# Altium PCB CF_PCB.PcbDoc (part 2 of 2) (continued)
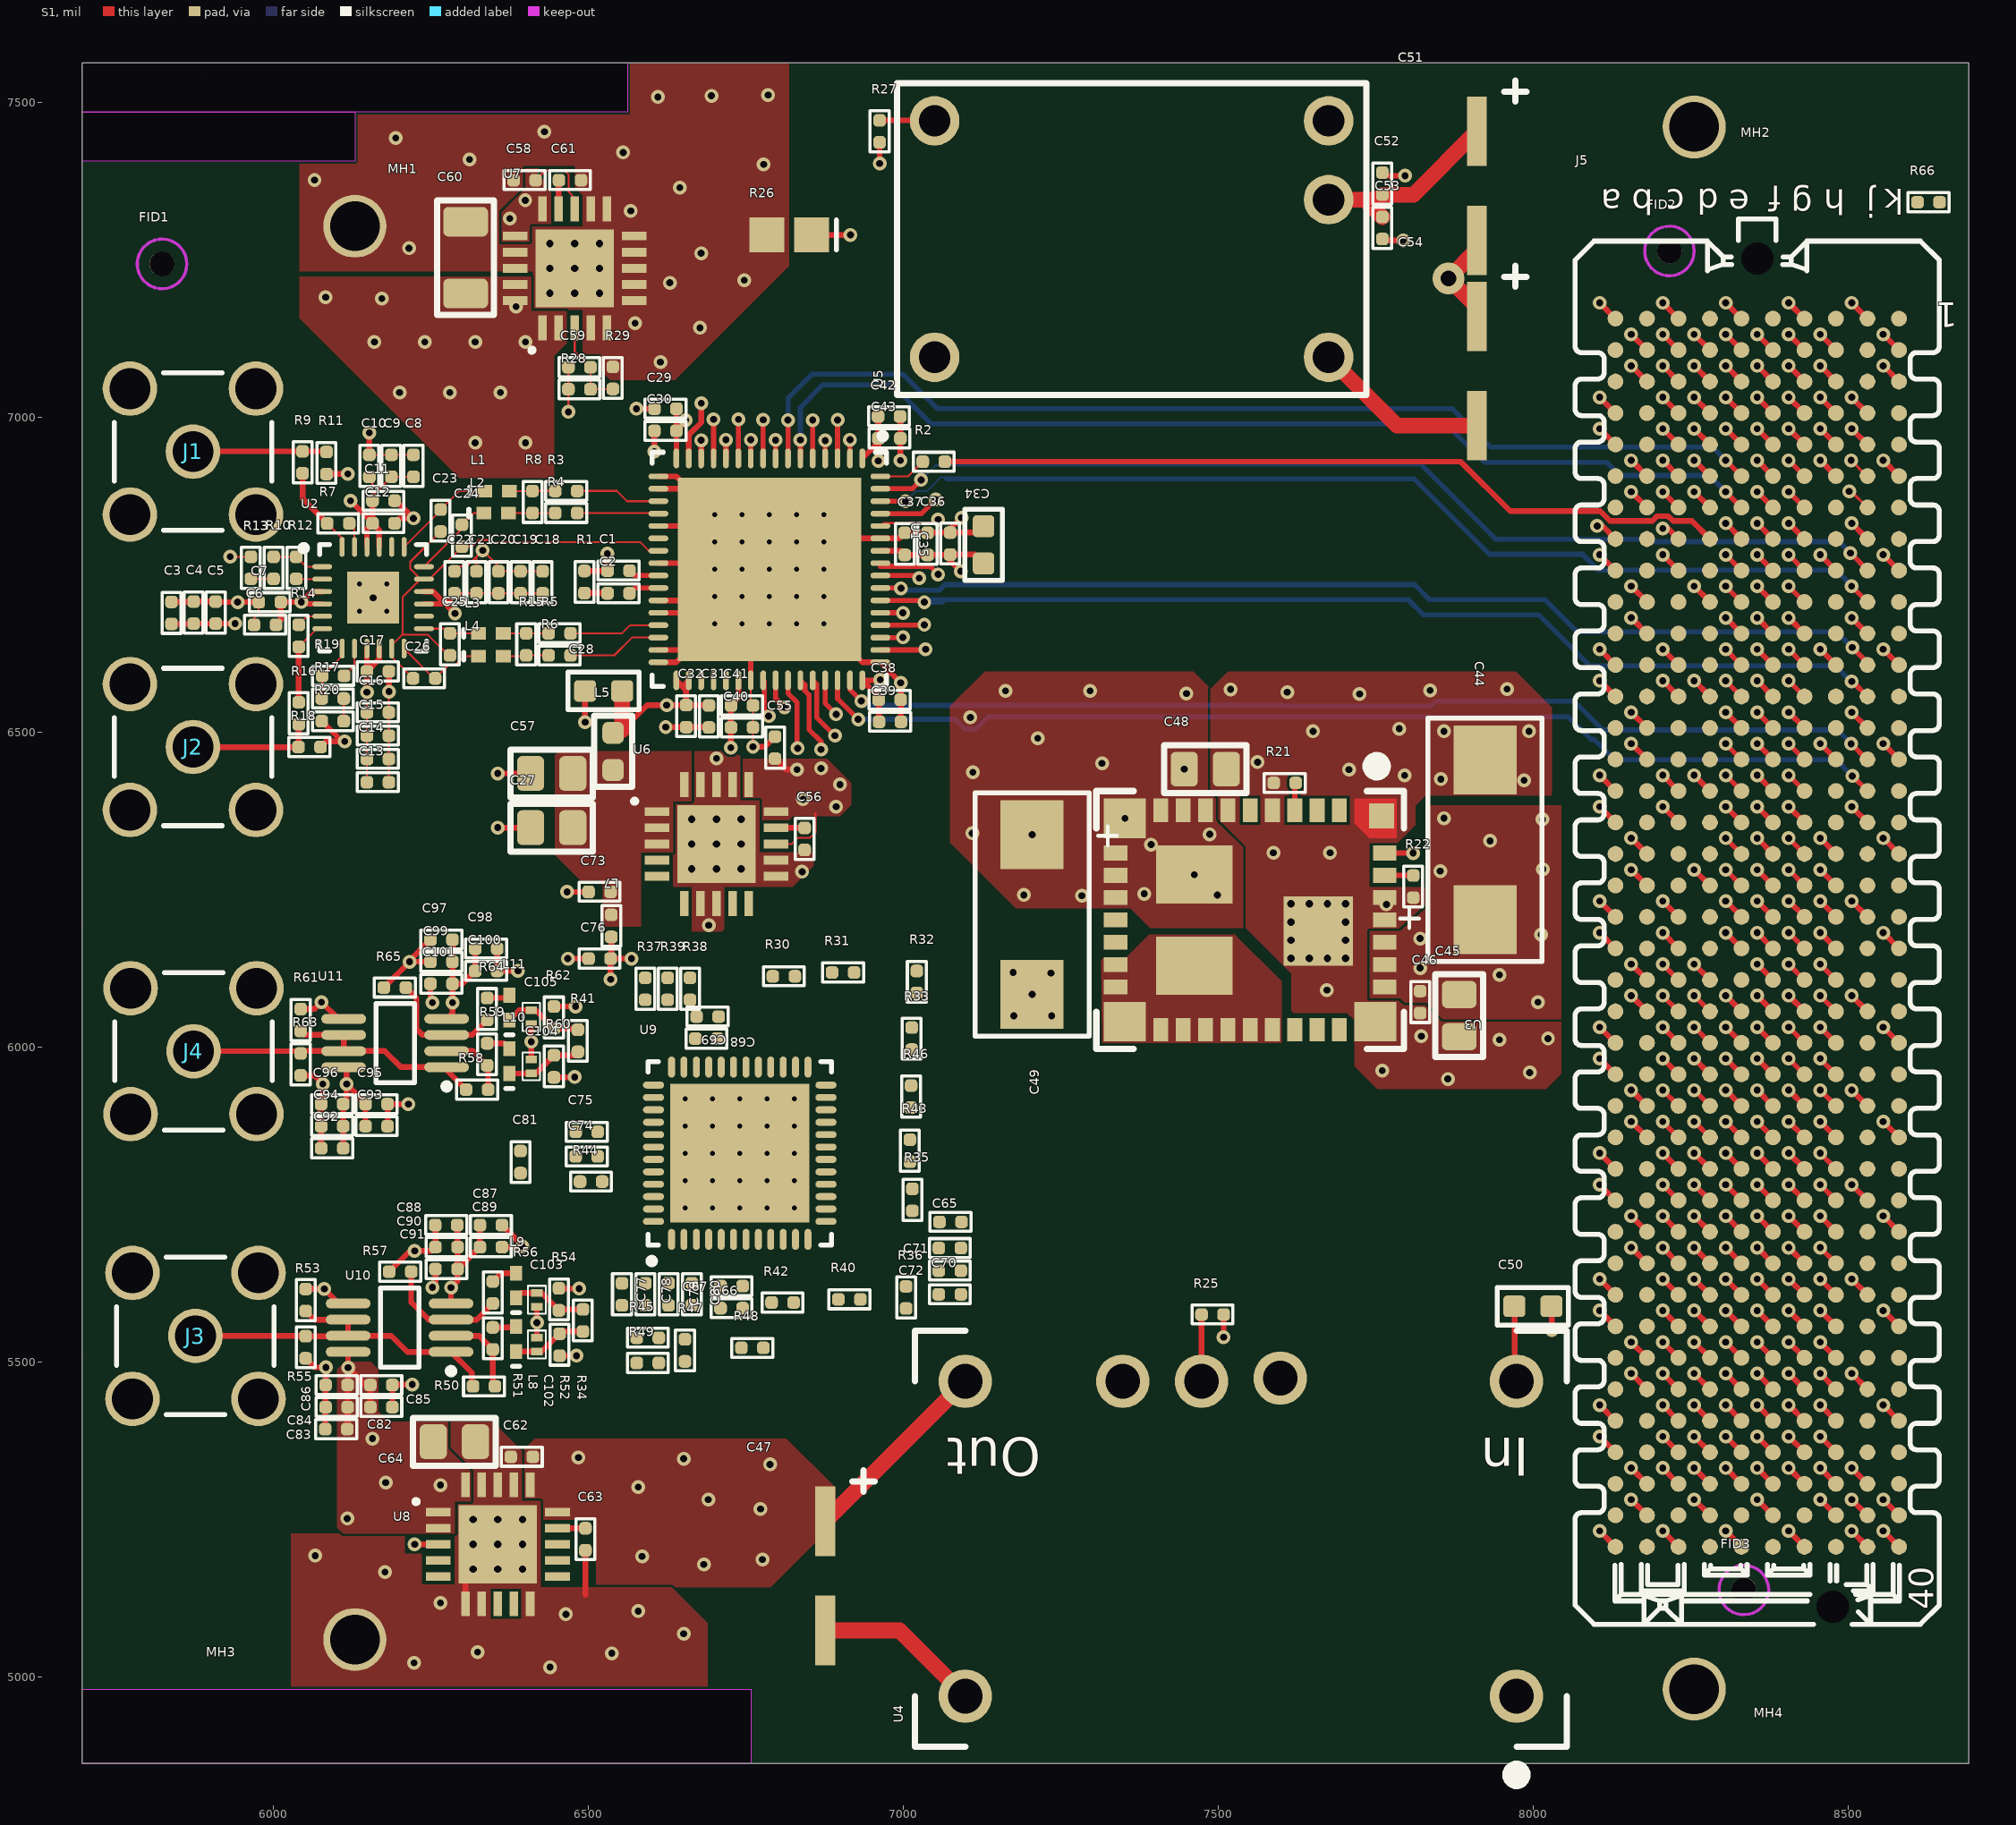
[diagram p0: S1 view]
## Nets (pads, with @x,y where several pads share a name; then routed paths per layer and width w, separated by ;. In a path a pad name is that pad's centre, name@x,y a point inside that pad or via, vN(x,y) a via of type N, cw(c..) or ccw(c..) an arc to the next point about the centre after c; other vN are vias at no path point) (continued)
  other v2: 6653.39,5745.39 6696.69,5745.39 6740,5745.39 6783.31,5745.39 6826.61,5745.39 6653.39,5788.69 6696.69,5788.69 6740,5788.69 6783.31,5788.69 6826.61,5788.69 6653.39,5832 6696.69,5832 6740,5832 6783.31,5832 6826.61,5832 6653.39,5875.31 6696.69,5875.31 6740,5875.31 6783.31,5875.31 6826.61,5875.31 6653.39,5918.61 6696.69,5918.61 6740,5918.61 6783.31,5918.61 6826.61,5918.61 6743.69,6672.39 6787,6672.39 6830.31,6672.39 6700.39,6715.69 6787,6715.69 6873.61,6715.69 6700.39,6759 6743.69,6759 6830.31,6759 6873.61,6759 6700.39,6802.31 6787,6802.31 6873.61,6802.31 6743.69,6845.61 6787,6845.61 6830.31,6845.61 6873.61,6845.61
  other v3: 6356,5171.63 6316.63,5211 6395.37,5211 6316.63,5250.37 6356,5250.37 6395.37,5250.37 7615.14,6141.3 7644.01,6141.3 7672.88,6141.3 7701.76,6141.3 7615.14,6170.17 7701.76,6170.17 7615.14,6199.04 7701.76,6199.04 7615.14,6227.91 7644.01,6227.91 7672.88,6227.91 7701.76,6227.91
N5V0: C8.2 C9.2 C10.2 C11.2 C12.2 C18.2 C19.2 C20.2 C21.2 C22.2 C59.2 C60.2 C87.2 C88.2 C89.2 C90.2 C91.2 C97.2 C98.2 C99.2 C100.2 C101.2 R28.2 U2.15 U2.16 U2.21 U2.22 U7.1 U7.2 U7.19 U7.20 U10.4 U11.4 | length 1435.4
  S1 w3: C10.2@6152,6906 6157,6901 C11.2@6157,6876 ; C11.2@6157,6868 C11.2@6157,6876 ; C8.2@6222,6906 C9.2@6187,6906 C11.2@6157,6876 ; C22.2@6287,6721 C21.2@6322,6721 C20.2@6357,6721 C19.2@6392,6721 C18.2@6427,6721 ; v1(6468,7009) R28.2@6468,7045 C59.2@6468,7080
  S1 w9: v1(6122,6868) C12.2@6157,6833 ; U2.22@6148.16,6794.71 6148.16,6823.37 C12.2@6157,6832.21 ; C11.2@6157,6868 C12.2@6157,6833 ; U2.21@6167.84,6794.71 6167.84,6821.37 C12.2@6157,6832.21 ; U2.15@6238.71,6704.16 6272.84,6704.16 ; U2.16@6238.71,6723.84 6253.16,6723.84 6272.84,6704.16 ; U11.4@6274.69,6045.39 6284,6054.69 v1(6284,6071) C101.2@6284,6101 ; U10.4@6281.69,5593.39 v1(6281.69,5618.69) 6292,5629 C91.2@6292,5648 ; C97.2@6284,6171 C99.2@6284,6136 C101.2@6284,6101 ; C22.2@6287,6721 6287,6718.31 6272.84,6704.16 ; v1(6288,6689) 6272.84,6704.16 ; C88.2@6292,5718 C90.2@6292,5683 C91.2@6292,5648 ; C98.2@6320,6157 C100.2@6320,6121.5 6299.5,6101 C101.2@6284,6101 ; C87.2@6327.5,5718 C89.2@6327.5,5683 6292.5,5648 C91.2@6292,5648 ; C12.2@6157,6832.21 C12.2@6157,6833
  S2 w3: v1(6288,6689) 6468,6869 v1(6468,7009)
  other v1: 6320,6960 6400,6960 6200,7040 6280,7040 6360,7040 6160,7120 6240,7120 6320,7120 6400,7120 6385,7176 6172,7189 6082.6,7191
N6V0: C54.1 C58.2 R26.1 R27.1 U5.1 U7.13 U7.15 U7.16 | length 495.4
  S1 w3: C58.2@6416,7377 6431.5,7392.5 6461.76,7392.5 6468.5,7385.76 6468.5,7358.25 6478,7348.75 U7.13@6478,7331.49
  S1 w9: R26.1@6854,7290 v1(6915.75,7290) ; v1(6962,7403.5) R27.1@6962,7437
  S1 w25: U5.1@7674.7,7095.8 7783.11,6987.39 7877,6987.39 C54.1@7910,6987.39
  other v1: 6375,7316 6399.5,7345
NetC1_2: C1.2 J5.k4 R1.2 | length 2430
  S1 w9: R1.2@6493.5,6756.5 6529.5,6756.5 C1.2@6530,6757 v1(6530,6784)
  S2 w4.5: v1(6530,6784) 6530,7019 6581.75,7070.75 6621.15,7070.75 6621.4,7071 6659,7071 6993.18,7405.18 8278.35,7405.18 8279.17,7406 8501,7406
NetC2_2: C2.2 J5.k5 R1.1 | length 36.7
  S1 w9: R1.1@6493.5,6721.5 6529.5,6721.5 C2.2@6530,6721
NetC56_2: C56.2 U6.14 | length 45.5
  S1 w9: U6.14@6797.49,6348.59 6842.91,6348.59 C56.2@6843,6348.5
NetC59_1: C59.1 R28.1 R29.2 U7.3 | length 143.6
  S1 w3: U7.3@6478,7142.51 6478,7105 C59.1@6503,7080 R28.1@6503,7045 6538,7045 R29.2@6538.5,7045.5
NetC61_2: C61.2 U7.14 | length 45.8
  S1 w9: U7.14@6452.41,7331.49 6452.41,7376.41 C61.2@6453,7377
NetC63_2: C63.2 U8.14 | length 44.5
  S1 w9: U8.14@6450.49,5236.59 C63.2@6495,5236.59
NetC81_2: C81.2 U9.42
NetJ1_1: J1.1 R9.2 R11.2 | length 212.6
  S1 w9: J1.1@5872,6946 5872.5,6946.5 R9.2@6046,6946.5 6083,6946.5 R11.2@6084,6945.5
NetJ2_1: J2.1 R16.2 R18.2 | length 214.6
  S1 w9: J2.1@5864,6476.5 6038.5,6476.5 6040,6475 R16.2@6040,6513
NetJ3_1: J3.1 R50.1 R53.2 R55.2 U10.1 U10.6 U10.7 | length 584.4
  S1 w9: J3.1@5876,5542 6050.5,5542 R55.2@6051,5541.5 6117.6,5541.5 U10.7@6118.31,5542.2 ; R53.2@6051,5581.5 6064.7,5567.8 U10.6@6118.31,5567.8 U10.7@6118.31,5542.2 ; R50.1@6316.5,5462 6314.5,5464 6314.5,5483.81 U10.1@6281.69,5516.61 6212.41,5516.61 6186.82,5542.2 U10.7@6118.31,5542.2
NetJ4_1: J4.1 R58.1 R61.2 R63.2 U11.1 U11.6 U11.7 | length 560.1
  S1 w9: J4.1@5873,5994 6039.5,5994 R63.2@6043,5990.5 6046.7,5994.2 U11.7@6111.31,5994.2 ; R61.2@6043,6026 6049.2,6019.8 U11.6@6111.31,6019.8 U11.7@6111.31,5994.2 ; R58.1@6305.5,5933 6274.69,5963.81 U11.1@6274.69,5968.61 6202,5968.61 6176.41,5994.2 U11.7@6111.31,5994.2
NetJ5_B1: J5.b1 R66.1
NetJ5_D30: J5.d30 J5.d31 | length 70.7
  S1 w9: v1(8255.05,5682.21) J5.d31@8280.05,5657.21 ; v1(8255.05,5732.21) J5.d30@8280.05,5707.21
NetJ5_E21: J5.e21 R37.1 U9.36 | length 35.4
  S1 w9: v1(8305.05,6182.21) J5.e21@8330.05,6157.21
NetJ5_E22: J5.d8 R2.1 | length 1271.5
  S1 w9: R2.1@7065.5,6930 7884.5,6930 7962.79,6851.71 8105.72,6851.71 8121.32,6836.11 8188.79,6836.11 8196.18,6843.5 8213.93,6843.5 8221.32,6836.11 8251.15,6836.11 J5.d8@8280.05,6807.21
NetJ5_E24: J5.e24 R39.1 U9.34 | length 35.4
  S1 w9: v1(8305.05,6032.21) J5.e24@8330.05,6007.21
NetJ5_E25: J5.e25 R38.1 U9.33 | length 35.4
  S1 w9: v1(8305.05,5982.21) J5.e25@8330.05,5957.21
NetJ5_F22: J5.e3 U1.14 | length 1857.2
  S1 w9: U1.14@6678.73,6935.18 v1(6678.73,6964.11) ; v1(8305.05,7082.21) J5.e3@8330.05,7057.21
  S3 w4.5: v1(6678.73,6964.11) 6678.73,6996.27 6660,7015 6660,7036 6765.42,7141.42 7693.59,7141.42 7727.02,7108 8279.27,7108 v1(8305.05,7082.21)
NetJ5_F23: J5.e2 U1.15 | length 1824.4
  S1 w9: U1.15@6659.05,6935.18 6659.23,6935.37 6659.23,6972.76 6678.92,6992.44 v1(6678.92,7022.92) ; v1(8305.05,7132.21) J5.e2@8330.05,7107.21
  S2 w4.5: v1(6678.92,7022.92) 6814.42,7158.42 8278.84,7158.42 v1(8305.05,7132.21)
NetJ5_F25: J5.f25 U9.31 | length 35.4
  S1 w9: v1(8355.05,5982.21) J5.f25@8380.05,5957.21
NetJ5_F26: J5.f26 U9.32 | length 35.4
  S1 w9: v1(8355.05,5932.21) J5.f26@8380.05,5907.21
NetJ5_J24: J5.f4 U1.13 | length 1868.4
  S1 w9: U1.13@6698.42,6935.18 v1(6698.42,6997.27) ; v1(8355.05,7032.21) J5.f4@8380.05,7007.21
  S2 w4.5: v1(6698.42,6997.27) 6851.07,7149.92 7697.11,7149.92 7728.82,7118.22 7728.82,7114.18 7788,7055 8332.27,7055 v1(8355.05,7032.21)
NetJ5_J25: J5.f5 U1.12 | length 1866.9
  S1 w9: U1.12@6718.1,6935.18 v1(6718.1,6964.85) ; v1(8355.05,6982.21) J5.f5@8380.05,6957.21
  S2 w4.5: v1(6718.1,6964.85) 6720.54,6967.29 6720.54,7007.37 6854.59,7141.42 7693.59,7141.42 7720.32,7114.7 7720.32,7110.66 7784.48,7046.5 8054.5,7046.5 8092,7009 8328.27,7009 v1(8355.05,6982.21)
NetJ5_J28: J5.j28 U9.30
NetL8_2: L8.2 R51.2 | length 37.5
  S1 w9: R51.2@6348,5555.5 6383.81,5555.5 L8.2@6385,5556.69
NetL9_2: L9.2 R56.2 | length 42.5
  S1 w9: R56.2@6348,5628.5 6361.19,5641.69 L9.2@6385,5641.69
NetL10_2: L10.2 R59.2 | length 38.8
  S1 w9: R59.2@6339,6006.5 6365.75,6006.5 L10.2@6374.25,5998
NetL11_2: L11.2 R64.2 | length 37.1
  S1 w9: R64.2@6339,6078.5 6369.88,6078.5 L11.2@6374.25,6082.87
NetR2_2: R2.2 U1.64 | length 77
  S1 w3: U1.64@6963.18,6906.64 7007.14,6906.64 R2.2@7030.5,6930
NetR3_1: R3.1 U1.19 | length 135.5
  S1 w3: R3.1@6482,6883.5 6544.77,6883.5 6561,6867.27 U1.19@6610.82,6867.27
NetR4_1: R4.1 U1.20 | length 129.2
  S1 w3: R4.1@6482,6848.5 6609.9,6848.5 U1.20@6610.82,6847.58
NetR5_1: R5.1 U1.29 | length 144.7
  S1 w3: R5.1@6471.5,6657.5 6553.08,6657.5 6566,6670.42 U1.29@6610.82,6670.42
NetR6_1: R6.1 U1.30 | length 151
  S1 w3: R6.1@6471.5,6622.5 6540.77,6622.5 6569,6650.73 U1.30@6610.82,6650.73
NetR7_1: R7.1 U2.23 | length 40.8
  S1 w3: R7.1@6120.11,6832 6128.47,6823.64 U2.23@6128.47,6794.71
NetR7_2: R7.2 R9.1 U2.24 | length 142.4
  S1 w3: R7.2@6085.11,6832 6108.5,6808.61 U2.24@6108.5,6795
  S1 w9: R9.1@6046,6911.5 6046,6871.11 R7.2@6085.11,6832
NetR10_1: R10.1 R12.2 U2.1 | length 83.8
  S1 w3: R10.1@6000,6779 R12.2@6036,6779 6051.79,6763.21 U2.1@6077.29,6763.21
NetR10_2: R10.2 R13.2 | length 36
  S1 w3: R13.2@5964,6744 R10.2@6000,6744
NetR12_1: R12.1 U2.2 | length 41.5
  S1 w3: R12.1@6036,6744 6036.47,6743.53 U2.2@6077.29,6743.53
NetR14_1: R14.1 U2.5 | length 42.9
  S1 w3: R14.1@6040,6671 6053.47,6684.47 U2.5@6077.29,6684.47
NetR14_2: R14.2 R16.1 U2.6 | length 137.2
  S1 w3: R14.2@6040,6636 6068.79,6664.79 U2.6@6077.29,6664.79
  S1 w9: R16.1@6040,6548 R14.2@6040,6636
NetR17_1: R17.1 R19.2 U2.7 | length 92.7
  S1 w3: R17.1@6076.47,6554 6077.07,6554.6 R19.2@6077.07,6590 6108.79,6621.72 U2.7@6108.79,6633.29
NetR17_2: R17.2 R20.2 | length 36
  S1 w3: R20.2@6111.47,6518 R17.2@6111.47,6554
NetR19_1: R19.1 U2.8 | length 50.9
  S1 w3: R19.1@6111.47,6590.6 R19.1@6112.07,6590 6128.47,6606.4 U2.8@6128.47,6633.29
NetR21_2: R21.2 U3.4 | length 44
  S1 w9: U3.4@7621.05,6376.53 7621.05,6418.45 R21.2@7622.5,6419.9
NetR22_2: R22.2 U3.35 | length 45.4
  S1 w9: U3.35@7763.76,6273.19 7808.72,6273.19 R22.2@7809,6272.9
NetR25_2: R25.2 U4.4 | length 106
  S1 w9: U4.4@7473,5470 R25.2@7473,5576
NetR27_2: R27.2 U5.4 | length 87.6
  S1 w9: R27.2@6962,7472 7048.5,7472 U5.4@7049.3,7471.2
NetR44_2: R44.2 U9.43
NetR45_1: R45.1 R47.2 U9.3
NetR47_1: R47.1 R49.2 U9.4
NetR50_2: R50.2 R51.1 U10.2 | length 135.2
  S1 w9: U10.2@6281.69,5542.2 6326.3,5542.2 R51.1@6348,5520.5 6348,5465.5 R50.2@6351.5,5462
NetR56_1: R56.1 R57.2 U10.3 | length 200.1
  S1 w9: R57.2@6218.5,5644 6218.5,5595.5 6246.2,5567.8 U10.3@6281.69,5567.8 6322.3,5567.8 R56.1@6348,5593.5
NetR58_2: R58.2 R59.1 U11.2 | length 112.8
  S1 w9: U11.2@6274.69,5994.2 6316.3,5994.2 R59.1@6339,5971.5 6340.5,5970 R58.2@6340.5,5933
NetR64_1: R64.1 R65.2 U11.3 | length 198.7
  S1 w9: R65.2@6210,6095 6227,6078 6227,6029 6236.2,6019.8 U11.3@6274.69,6019.8 6315.3,6019.8 R64.1@6339,6043.5
OPAMP_OUT1+: C23.2 L1.1 U2.19 | length 165.1
  S1 w3: U2.19@6207.21,6794.71 6265,6852.5 C23.2@6265,6854 6294,6883 L1.1@6334.88,6883
OPAMP_OUT1-: C24.1 L2.1 U2.18 | length 134.1
  S1 w3: U2.18@6238.71,6763.21 6299,6823.5 C24.1@6299,6830 6317.5,6848.5 L2.1@6333.63,6848.5
OPAMP_OUT2+: C25.2 L3.1 U2.13 | length 89.6
  S1 w3: U2.13@6238.71,6664.79 6272.71,6664.79 C25.2@6280,6657.5 L3.1@6325.31,6657.5
OPAMP_OUT2-: C26.1 L4.1 U2.12 | length 152.2
  S1 w3: U2.12@6207.21,6633.29 6254.5,6586 C26.1@6256.5,6586 6277.5,6607 6288.76,6607 6302.76,6621 L4.1@6325.31,6621
P5V0: C3.2 C4.2 C5.2 C6.2 C7.2 C13.2 C14.2 C15.2 C16.2 C17.2 C64.2 C82.2 C83.2 C84.2 C85.2 C86.2 C92.2 C93.2 C94.2 C95.2 C96.2 U2.3 U2.4 U2.9 U2.10 U8.1 U8.2 U8.3 U8.20 U10.8 U11.8 | length 1279.9
  S1 w3: C13.2@6148.16,6421 C14.2@6148.16,6458 C15.2@6148.16,6495 C16.2@6148.16,6532 v1(6148.16,6564.16)
  S1 w9: C3.2@5838,6672.39 5872.39,6672.39 C4.2@5873,6673 C5.2@5908,6673 v1(5939,6673) ; C6.2@6004,6671 6011.5,6678.5 C7.2@6011.5,6707 ; C7.2@6015,6707.21 v1(6044,6707.21) ; U2.4@6077.29,6704.16 6047.05,6704.16 v1(6044,6707.21) ; U2.3@6077.29,6723.84 6060.63,6723.84 v1(6044,6707.21) ; C92.2@6110.5,5840 C94.2@6110.5,5875 C96.2@6110.5,5910 6116,5915.5 v1(6116,5942) ; U11.8@6111.31,5968.61 6116,5963.92 v1(6116,5942) ; C83.2@6117,5394 6117,5428.6 6117.5,5429.1 C86.2@6117.5,5464 6118.31,5464.81 v1(6118.31,5491.69) ; U10.8@6118.31,5516.61 v1(6118.31,5491.69) ; C93.2@6146,5875 C95.2@6146,5910 6146,5912 v1(6116,5942) ; v1(6148.16,6564.16) C17.2@6148.16,6597 ; U2.9@6148.16,6633.29 C17.2@6148.16,6597 ; C82.2@6153.5,5429 C85.2@6153.5,5464 6146,5464 v1(6118.31,5491.69) ; U2.10@6167.84,6633.29 6167.84,6616.69 C17.2@6148.16,6597 ; v1(6224,5211) U8.3@6261.51,5211
  S2 w4.5: v1(6118.31,5491.69) 6118.31,5316.69 v1(6224,5211)
  other v1: 6117,5252 6265,5305 6178,5309 6157,5379
P5V5: C44.1 C45.2 C46.2 C47.2 C55.2 C62.2 U3.30 U3.31 U3.32 U4.5 U4.6 U6.13 U6.15 U6.16 U8.13 U8.15 U8.16 | length 457.6
  S1 w3: U6.13@6797.49,6323 6822.57,6323 6832.57,6333 6851.76,6333 6860,6341.24 6860,6372
  S1 w9: C55.2@6796,6458.5 6813.5,6441 v1(6831,6441)
  S1 w25: C47.2@6875.58,5247.61 U4.6@7098,5470
  other v1: 6683,5179 6776,5187 6585,5192 6773,5267 6690,5282.21 6579,5302 6788,5338 6651,5347 6484,5349 8007,6072 7946,6115 7820,6126 7820,6173 8012,6179 7852,6280 8015,6283 7931,6328 8014,6362 7858,6364 6893,6382 6840.39,6394 6899,6417.49 6869,6443
PH: U3.17 U3.18 U3.19 U3.20 U3.21 U3.22 U3.23 U3.24 U3.25 U3.39
REFCLK_N: J5.j3 R48.1 U9.7
REFCLK_P: J5.j2 R48.2 U9.6
pads on no net: FID1.0 FID2.0 FID3.0 J5.1 J5.2 J5.a2 J5.a3 J5.a6 J5.a7 J5.a10 J5.a11 J5.a14 J5.a15 J5.a18 J5.a19 J5.a22 J5.a23 J5.a26 J5.a27 J5.a30 J5.a31 J5.a34 J5.a35 J5.a38 J5.a39 J5.b4 J5.b5 J5.b8 J5.b9 J5.b12 J5.b13 J5.b16 J5.b17 J5.b20 J5.b21 J5.b24 J5.b25 J5.b28 J5.b29 J5.b32 J5.b33 J5.b36 J5.b37 J5.b40 J5.c2 J5.c3 J5.c6 J5.c7 J5.c10 J5.c11 J5.c14 J5.c15 J5.c18 J5.c19 J5.c30 J5.c31 J5.c34 J5.d1 J5.d4 J5.d5 J5.d9 J5.d11 J5.d12 J5.d14 J5.d15 J5.d17 J5.d18 J5.d20 J5.d21 J5.d29 J5.d32 J5.d33 J5.d34 J5.d35 J5.e22 J5.e27 J5.e28 J5.e30 J5.e31 J5.e33 J5.e34 J5.e36 J5.e37 J5.e39 J5.f1 J5.f7 J5.f8 J5.f10 J5.f11 J5.f13 J5.f14 J5.f16 J5.f17 J5.f19 J5.f20 J5.f22 J5.f23 J5.f28 J5.f29 J5.f31 J5.f32 J5.f34 J5.f35 J5.f37 J5.f38 J5.f40 J5.g2 J5.g3 J5.g27 J5.g28 J5.g30 J5.g31 J5.g33 J5.g34 J5.g36 J5.g37 J5.g39 J5.h1 J5.h4 J5.h5 J5.h7 J5.h8 J5.h10 J5.h11 J5.h13 J5.h14 J5.h16 J5.h17 J5.h19 J5.h20 J5.h34 J5.h35 J5.h37 J5.h38 J5.h40 J5.j21 J5.j22 J5.j24 J5.j25 J5.j27 J5.j30 J5.j31 J5.j33 J5.j34 J5.j36 J5.j37 J5.k1 J5.k7 J5.k8 J5.k10 J5.k11 J5.k13 J5.k14 J5.k16 J5.k17 J5.k19 J5.k20 J5.k22 J5.k23 J5.k25 J5.k26 J5.k28 J5.k29 J5.k31 J5.k32 J5.k34 J5.k35 J5.k37 J5.k38 U1.22 U1.35 U1.36 U1.37 U2.14 U2.20 U3.2 U3.3 U3.6 U3.15 U3.16 U3.26 U3.27 U3.28 U4.3 U5.3 U6.4 U6.5 U6.6@6651.82,6228.51 U6.9 U6.10 U8.4 U8.5 U8.8 U8.9 U8.11 U8.12
copper on no net: | length 2121.3
  S1 w9: v1(8205.05,5532.21) 8230.05,5507.21 ; v1(8205.05,5682.21) 8230.05,5657.21 ; v1(8205.05,5732.21) 8230.05,5707.21 ; v1(8205.05,6882.21) 8230.05,6857.21 ; v1(8205.05,6932.21) 8230.05,6907.21 ; v1(8205.05,7082.21) 8230.05,7057.21 ; v1(8205.05,7132.21) 8230.05,7107.21 ; v1(8255.05,5482.21) 8280.05,5457.21 ; v1(8255.05,5532.21) 8280.05,5507.21 ; v1(8255.05,5582.21) 8280.05,5557.21 ; v1(8255.05,5632.21) 8280.05,5607.21 ; v1(8255.05,5782.21) 8280.05,5757.21 ; v1(8255.05,6982.21) 8280.05,6957.21 ; v1(8255.05,7032.21) 8280.05,7007.21 ; v1(8305.05,5382.21) 8330.05,5357.21 ; v1(8305.05,5432.21) 8330.05,5407.21 ; v1(8305.05,5532.21) 8330.05,5507.21 ; v1(8305.05,5582.21) 8330.05,5557.21 ; v1(8305.05,5682.21) 8330.05,5657.21 ; v1(8305.05,5732.21) 8330.05,5707.21 ; v1(8305.05,5832.21) 8330.05,5807.21 ; v1(8305.05,5882.21) 8330.05,5857.21 ; v1(8355.05,5332.21) 8380.05,5307.21 ; v1(8355.05,5382.21) 8380.05,5357.21 ; v1(8355.05,5482.21) 8380.05,5457.21 ; v1(8355.05,5532.21) 8380.05,5507.21 ; v1(8355.05,5632.21) 8380.05,5607.21 ; v1(8355.05,5682.21) 8380.05,5657.21 ; v1(8355.05,5782.21) 8380.05,5757.21 ; v1(8355.05,5832.21) 8380.05,5807.21 ; v1(8355.05,6082.21) 8380.05,6057.21 ; v1(8355.05,6132.21) 8380.05,6107.21 ; v1(8355.05,6232.21) 8380.05,6207.21 ; v1(8355.05,6282.21) 8380.05,6257.21 ; v1(8355.05,6382.21) 8380.05,6357.21 ; v1(8355.05,6432.21) 8380.05,6407.21 ; v1(8355.05,6532.21) 8380.05,6507.21 ; v1(8355.05,6582.21) 8380.05,6557.21 ; v1(8355.05,6682.21) 8380.05,6657.21 ; v1(8355.05,6732.21) 8380.05,6707.21 ; v1(8355.05,6832.21) 8380.05,6807.21 ; v1(8355.05,6882.21) 8380.05,6857.21 ; v1(8405.05,5382.21) 8430.05,5357.21 ; v1(8405.05,5432.21) 8430.05,5407.21 ; v1(8405.05,5532.21) 8430.05,5507.21 ; v1(8405.05,5582.21) 8430.05,5557.21 ; v1(8405.05,5682.21) 8430.05,5657.21 ; v1(8405.05,5732.21) 8430.05,5707.21 ; v1(8405.05,5832.21) 8430.05,5807.21 ; v1(8405.05,5882.21) 8430.05,5857.21 ; v1(8405.05,7082.21) 8430.05,7057.21 ; v1(8405.05,7132.21) 8430.05,7107.21 ; v1(8455.05,5332.21) 8480.05,5307.21 ; v1(8455.05,5382.21) 8480.05,5357.21 ; v1(8455.05,5482.21) 8480.05,5457.21 ; v1(8455.05,5532.21) 8480.05,5507.21 ; v1(8455.05,6232.21) 8480.05,6207.21 ; v1(8455.05,6282.21) 8480.05,6257.21 ; v1(8455.05,6982.21) 8480.05,6957.21 ; v1(8455.05,7032.21) 8480.05,7007.21
  other v2: 6136.35,6692.35 6179.65,6692.35 6136.35,6735.65 6179.65,6735.65
  other v3: 6663.63,6283.63 6703,6283.63 6742.37,6283.63 6663.63,6323 6703,6323 6742.37,6323 6663.63,6362.37 6703,6362.37 6742.37,6362.37 6438.63,7197.63 6478,7197.63 6517.37,7197.63 6438.63,7237 6478,7237 6517.37,7237 6438.63,7276.37 6478,7276.37 6517.37,7276.37

## Polygon pours and split planes (outlines as drawn)
1V8 on S1 "S1-1V8" (solid, pour order 58): 7360,6221 7391,6190 7543,6190 7543,6319 7500,6362 7500,6397 7487,6410 7487,6570 7460,6597 7129,6597 7074,6542 7074,6325.28 7178.28,6221
GND on S1 "S1-GND 2" (solid, pour order 52): 7619,6055 7704,6055 7715.54,6043.46 7715.54,5970.46 7752,5934 8020,5934 8044,5958 8044,6045 7856,6045 7830,6071 7795.5,6071 7788,6078.5 7740,6078.5 7740,6184.81 7740.19,6185 7793,6185 7831.73,6223.73 7831.73,6256 7829.73,6254 7739,6254 7739.55,6254.55 7739.55,6324 7783.76,6324 7812.75,6352.99 7812.75,6383.75 7829,6400 8029,6400 8029,6540 7972,6597 7515,6597 7487,6569 7487,6410 7500,6397 7500,6362 7543,6319 7543,6190 7616,6117 7616,6056.11 7619.11,6053
PH on S1 "S1-PH" (solid, pour order 48): 7314,6142 7353,6142 7390,6179 7527,6179 7527,6178 7600,6105 7600,6007.21 7315.21,6007.21 7315,6007
P5V5 on S1 "S1-P5V5" (solid, pour order 46): 7788,6185 7739.55,6185 7740,6184.55 7740,6078.5 7788,6078.5 7795.5,6071 7830,6071 7856,6045 8044,6045 8044,6384 7832,6384 7832,6224
P5V5 on S1 "S1-P5V5 1" (solid, pour order 40): 6741,6392 6741,6462.45 6745.45,6458 6878.75,6458 6917,6419.75 6917,6385 6899,6367 6823.79,6367 6823.79,6366.79 6818,6361 6771,6361 6771,6392
GND on S1 "S1-GND 3" (solid, pour order 36): 6663.63,6470 6663.63,6391.37 6634.37,6391.37 6634,6391 6634,6255 6664,6255 6664,6184.09 6715,6183.9 6715,6255 6823.79,6255 6857,6288.21 6857,6310 6771,6310 6771,6392 6741,6392 6741,6470
3V3_CLEAN on S1 "S1-3V3_CLEAN" (solid, pour order 34): 6664,6391 6663.63,6391.37 6663.63,6470 6453,6470 6446,6463 6447,6462 6447,6305.5 6487.5,6265 6516.5,6265 6522.77,6258.73 6522.77,6196.23 6527,6192 6583,6192 6583,6310 6634,6310 6634,6391
P5V5 on S1 "S1-P5V5 2" (solid, pour order 32): 6394,5280 6424,5280 6424,5250 6512,5250 6512,5143 6789,5143 6892,5246 6892,5302 6891,5302 6814,5379 6415,5379 6394,5358
GND on S1 "S1-GND 4" (solid, pour order 28): 6288,5279 6313,5279 6313,5327 6277,5363 6277,5406 6348,5406 6395,5359 6394,5358 6394,5280 6424,5280 6424,5143 6632,5143 6689,5086 6689,4981 6027.11,4981 6028,4982.11 6028,5228 6208,5228 6208,5196 6234,5196 6235,5197 6235,5147 6288,5147
P5V0 on S1 "S1-P5V0" (solid, pour order 22): 6288,5228 6110.5,5228 6101,5237.5 6101,5489 6113,5501 6154,5501 6166,5489 6166,5422 6182,5406 6277,5406 6277,5363 6313,5327 6313,5279 6288,5279
no net on S1 "S1-No Net 1" (solid, pour order 20): 6282,5228
N6V0 on S1 "S1-N6V0" (solid, pour order 18): 6358,7275 6408,7275 6410.5,7277.5 6410.5,7303 6438.06,7303 6440,7304.94 6440,7357 6430.5,7366.5 6430.5,7400 6396.12,7400 6395.37,7399.25 6395.37,7365.37 6358,7328
GND on S1 "S1-GND" (solid, pour order 16): 6491,7105 6495,7101 6520,7101 6520,7075 6535,7060 6637,7060 6818,7241 6818,7563 6562,7563 6562,7485 6384,7485 6384,7400 6477,7400 6478.5,7398.5 6478.5,7365.5 6491,7353
GND on S1 "S1-GND 1" (solid, pour order 14): 6409,7232 6041,7232 6041,7407 6129,7407 6129,7485 6395.37,7485 6395.37,7365.37 6358,7328 6358,7275 6408,7275 6410.5,7277.5 6410.5,7303 6544,7303 6544,7171 6413,7171 6412,7172 6412,7231
no net on S1 "S1-No Net" (solid, pour order 8): 6409,7232
N5V0 on S1 "S1-N5V0" (solid, pour order 6): 6409,7224 6041,7224 6041,7158 6295,6904 6445,6904 6445,7098 6465,7118 6465,7169 6410,7169 6409,7170
GND on GND1 (split plane): 8670.9,4883.1 6778.1,4883.1 6778.1,4981 6777.71,4984.92 6776.57,4988.69 6774.71,4992.17 6772.21,4995.21 6769.17,4997.71 6765.69,4999.57 6761.92,5000.71 6758,5001.1 5716.1,5001.1 5716.1,7386.9 6129,7386.9 6132.92,7387.29 6136.69,7388.43 6140.17,7390.29 6143.21,7392.79 6145.71,7395.83 6147.57,7399.31 6148.71,7403.08 6149.1,7407 6149.1,7464.9 6562,7464.9 6565.92,7465.29 6569.69,7466.43 6573.17,7468.29 6576.21,7470.79 6578.71,7473.83 6580.57,7477.31 6581.71,7481.08 6582.1,7485 6582.1,7542.9 8670.9,7542.9
GND on GND2 (split plane): 8670.9,4883.1 6778.1,4883.1 6778.1,4981 6777.71,4984.92 6776.57,4988.69 6774.71,4992.17 6772.21,4995.21 6769.17,4997.71 6765.69,4999.57 6761.92,5000.71 6758,5001.1 5716.1,5001.1 5716.1,7386.9 6129,7386.9 6132.92,7387.29 6136.69,7388.43 6140.17,7390.29 6143.21,7392.79 6145.71,7395.83 6147.57,7399.31 6148.71,7403.08 6149.1,7407 6149.1,7464.9 6562,7464.9 6565.92,7465.29 6569.69,7466.43 6573.17,7468.29 6576.21,7470.79 6578.71,7473.83 6580.57,7477.31 6581.71,7481.08 6582.1,7485 6582.1,7542.9 8670.9,7542.9
1V8 on 1V8 (split plane): 8670.9,4883.1 6778.1,4883.1 6778.1,4981 6777.71,4984.92 6776.57,4988.69 6774.71,4992.17 6772.21,4995.21 6769.17,4997.71 6765.69,4999.57 6761.92,5000.71 6758,5001.1 5716.1,5001.1 5716.1,7386.9 6129,7386.9 6132.92,7387.29 6136.69,7388.43 6140.17,7390.29 6143.21,7392.79 6145.71,7395.83 6147.57,7399.31 6148.71,7403.08 6149.1,7407 6149.1,7464.9 6562,7464.9 6565.92,7465.29 6569.69,7466.43 6573.17,7468.29 6576.21,7470.79 6578.71,7473.83 6580.57,7477.31 6581.71,7481.08 6582.1,7485 6582.1,7542.9 8670.9,7542.9
P5V0 on SplittedPower (split plane): 6195.9,6669.89 6195.9,6522.5 6195.9,5551 6195.9,5476 6196.29,5474.05 6197.4,5472.4 6327,5342.79 6327,5221.6 6327,5001.1 5716.1,5001.1 5716.1,6789.9 6075.89,6789.9
N5V0 on SplittedPower (split plane): 6294.4,7234.4 6296.05,7233.29 6298,7232.9 6588.89,7232.9 6609.9,7211.89 6609.9,7104.1 6602,7104.1 6600.05,7103.71 6598.4,7102.6 6506.4,7010.6 6505.29,7008.95 6504.9,7007 6504.9,5689.11 6279.4,5463.6 6250,5434.21 6206.1,5478.11 6206.1,5551 6206.1,6522.5 6206.1,6672 6205.71,6673.95 6204.6,6675.6 6081.6,6798.6 6079.95,6799.71 6078,6800.1 5716.1,6800.1 5716.1,7386.9 6129,7386.9 6132.92,7387.29 6136.69,7388.43 6139.08,7389.71
N6V0 on SplittedPower (split plane): 7568.9,7305 7569.29,7303.05 7570.4,7301.4 7655.77,7216.02 7657.42,7214.92 7659.37,7214.53 7968.26,7214.53 8038.9,7143.89 8038.9,6908.1 7504.11,6908.1 7309.6,7102.6 7307.95,7103.71 7306,7104.1 6620.1,7104.1 6620.1,7214 6619.71,7215.95 6618.6,7217.6 6594.6,7241.6 6592.95,7242.71 6591,7243.1 6300.11,7243.1 6146.29,7396.92 6147.57,7399.31 6148.71,7403.08 6149.1,7407 6149.1,7464.9 6562,7464.9 6565.92,7465.29 6569.69,7466.43 6573.17,7468.29 6576.21,7470.79 6578.71,7473.83 6580.57,7477.31 6581.71,7481.08 6582.1,7485 6582.1,7542.9 7568.9,7542.9
P5V5 on SplittedPower (split plane): 7498.4,6899.4 7500.05,6898.29 7502,6897.9 8038.9,6897.9 8038.9,5704.11 7719.4,5384.6 7718.29,5382.95 7717.9,5381 7717.9,4883.1 6778.1,4883.1 6778.1,4981 6777.71,4984.92 6776.57,4988.69 6774.71,4992.17 6772.21,4995.21 6769.17,4997.71 6765.69,4999.57 6761.92,5000.71 6758,5001.1 6337.2,5001.1 6337.2,5221.6 6337.2,5344.9 6336.81,5346.85 6335.7,5348.51 6257.21,5427 6286.6,5456.4 6512.11,5681.9 6530.89,5681.9 6540.9,5671.89 6540.9,5611 6541.29,5609.05 6542.4,5607.4 6586.4,5563.4 6588.05,5562.29 6590,5561.9 6924,5561.9 6925.95,5562.29 6927.6,5563.4 7068.6,5704.4 7069.71,5706.05 7070.1,5708 7070.1,6022 7069.71,6023.95 7068.6,6025.6 6897.6,6196.6 6895.95,6197.71 6894,6198.1 6515.1,6198.1 6515.1,6464.9 6704,6464.9 6705.95,6465.29 6707.6,6466.4 6708.71,6468.05 6709.1,6470 6709.1,6896.99 6906.01,7093.9 7303.89,7093.9
12V0 on SplittedPower (split plane): 8670.9,4883.1 7728.1,4883.1 7728.1,5378.89 8047.6,5698.4 8048.71,5700.05 8049.1,5702 8049.1,7146 8048.71,7147.95 8047.6,7149.6 7973.97,7223.23 7972.32,7224.34 7970.37,7224.73 7661.48,7224.73 7579.1,7307.11 7579.1,7542.9 8670.9,7542.9
ADC_AVDD on SplittedPower (split plane): 6700.4,6902.71 6699.29,6901.05 6698.9,6899.1 6698.9,6475.1 6515.1,6475.1 6515.1,7004.89 6604.11,7093.9 6891.59,7093.9
AVDD33 on SplittedPower (split plane): 7059.9,6019.89 7059.9,5710.11 6921.89,5572.1 6592.11,5572.1 6551.1,5613.11 6551.1,5674 6550.71,5675.95 6549.6,5677.6 6536.6,5690.6 6534.95,5691.71 6533,5692.1 6515.1,5692.1 6515.1,6187.9 6891.89,6187.9
GND on GND3 (split plane): 8670.9,4883.1 6778.1,4883.1 6778.1,4981 6777.71,4984.92 6776.57,4988.69 6774.71,4992.17 6772.21,4995.21 6769.17,4997.71 6765.69,4999.57 6761.92,5000.71 6758,5001.1 5716.1,5001.1 5716.1,7386.9 6129,7386.9 6132.92,7387.29 6136.69,7388.43 6140.17,7390.29 6143.21,7392.79 6145.71,7395.83 6147.57,7399.31 6148.71,7403.08 6149.1,7407 6149.1,7464.9 6562,7464.9 6565.92,7465.29 6569.69,7466.43 6573.17,7468.29 6576.21,7470.79 6578.71,7473.83 6580.57,7477.31 6581.71,7481.08 6582.1,7485 6582.1,7542.9 8670.9,7542.9
GND on GND4 (split plane): 8670.9,4883.1 6778.1,4883.1 6778.1,4981 6777.71,4984.92 6776.57,4988.69 6774.71,4992.17 6772.21,4995.21 6769.17,4997.71 6765.69,4999.57 6761.92,5000.71 6758,5001.1 5716.1,5001.1 5716.1,7386.9 6129,7386.9 6132.92,7387.29 6136.69,7388.43 6140.17,7390.29 6143.21,7392.79 6145.71,7395.83 6147.57,7399.31 6148.71,7403.08 6149.1,7407 6149.1,7464.9 6562,7464.9 6565.92,7465.29 6569.69,7466.43 6573.17,7468.29 6576.21,7470.79 6578.71,7473.83 6580.57,7477.31 6581.71,7481.08 6582.1,7485 6582.1,7542.9 8670.9,7542.9

## Other copper
SplittedPower (plane layer: these items are gaps in the copper):
  lines w10: 5697,6795 6078,6795 6201,6672 6201,6522.5 6201,5551 6201,5476 6332.1,5344.9 6332.1,5221.6 6332.1,4984 6542,4984 ; 6129,7407 6298,7238 6591,7238 6615,7214 6615,7099 ; 6251,5428 6283,5460 6510,5687 ; 6510,6470 6704,6470 6704,6899.1 6903.9,7099 7124,7099 ; 6511,6193 6894,6193 7065,6022 7065,5708 6924,5567 6590,5567 6546,5611 6546,5674 6533,5687 6510,5687 ; 7574,7564 7574,7305 7659.37,7219.63 7970.37,7219.63 8044,7146 8044,5702 7723,5381 7723,4865 ; 8041,6903 7502,6903 7306,7099 6615,7099 ; 6510,5687 6510,7007 6602,7099 6615,7099

## Text inside footprints (layer, text, board x,y; h text height)
J5: Top Overlay "1" at 8672.88,7182.88 h39.37 r180; Top Overlay "40" at 8635.06,5107.21 h39.37 r90; Top Overlay "k" at 8587.88,7362.88 h39.37 r180; Top Overlay "j" at 8542.88,7357.88 h39.37 r180; Top Overlay "g" at 8442.88,7357.88 h39.37 r180; Top Overlay "h" at 8495.06,7362.21 h39.37 r180; Top Overlay "f" at 8392.88,7367.88 h39.37 r180; Top Overlay "a" at 8140.06,7362.21 h39.37 r180; Top Overlay "b" at 8190.06,7362.21 h39.37 r180; Top Overlay "c" at 8240.06,7362.21 h39.37 r180; Top Overlay "d" at 8294.24,7362.88 h39.37 r180; Top Overlay "e" at 8342.98,7361.32 h39.37 r180; Mechanical 14 "1" at 8672.88,7182.88 h39.37 r180; Mechanical 14 "40" at 8635.06,5107.21 h39.37 r90; Mechanical 14 "k" at 8587.88,7362.88 h39.37 r180; Mechanical 14 "j" at 8542.88,7357.88 h39.37 r180; Mechanical 14 "g" at 8442.88,7357.88 h39.37 r180; Mechanical 14 "h" at 8495.06,7362.21 h39.37 r180; Mechanical 14 "f" at 8392.88,7367.88 h39.37 r180; Mechanical 14 "e" at 8342.98,7361.32 h39.37 r180; Mechanical 14 "d" at 8294.24,7362.88 h39.37 r180; Mechanical 14 "c" at 8240.06,7362.21 h39.37 r180; Mechanical 14 "b" at 8190.06,7362.21 h39.37 r180; Mechanical 14 "a" at 8140.06,7362.21 h39.37 r180
U3: Mechanical 13 "GND" at 7703.72,6285 h60 r180; Mechanical 13 "VOUT" at 7491.13,6312.56 h60 r180; Mechanical 13 "PH" at 7487.19,6103.89 h60 r180
U4: Top Overlay "In" at 7993,5380 h60 r180; Top Overlay "Out" at 7218,5380 h60 r180